# Altium PCB Outdoor_Tracker_v1.0.PcbDoc (part 1 of 2) (continued)
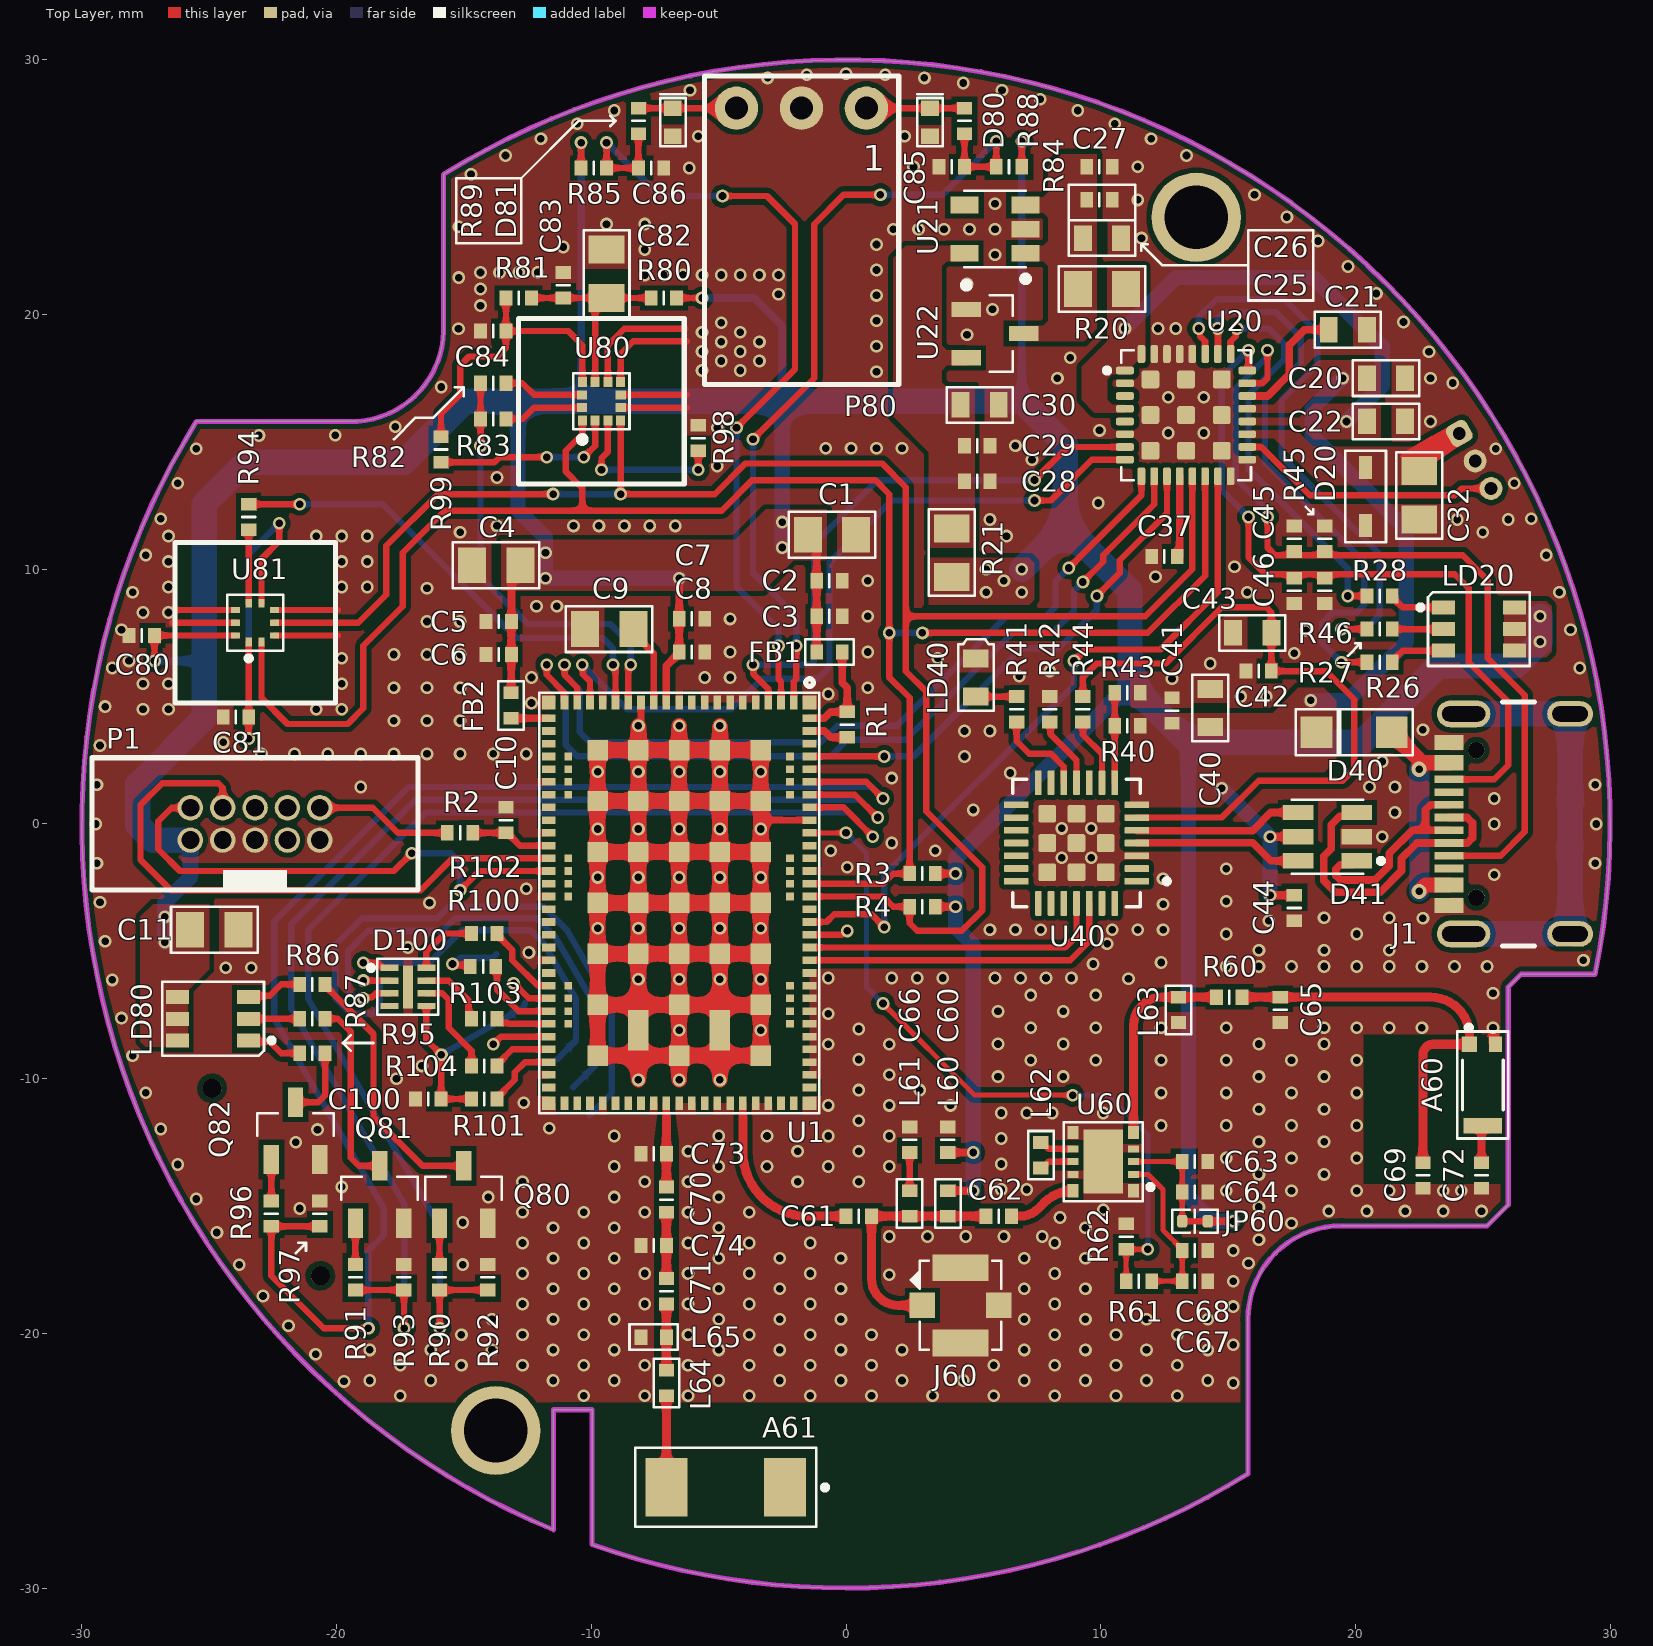
[diagram p0: Top Layer view]
## Footprints (in the part's own frame and the unit in brackets; to place one, negate y for a bottom-side part, rotate by r counter-clockwise, add the part's x,y. Pads: shape width x height; smd on the part's side, far side on the other; paste and mask are expansions set on the pad) (continued)
  silkscreen extent -1.5,-0.7 1.3,0.7, body extent -0.8,-0.39 0.8,0.39, height 0.7
"LED RGB 150352M173300" [mm]
  rect 0.9x0.55 smd: 1(-1.4,0.85) 2(1.4,0.85) 3(-1.4,0) 4(1.4,0) 5(-1.4,-0.85) 6(1.4,-0.85)
  silkscreen extent -2.4,-1.45 2,1.45, body extent -1.75,-1.4 1.75,1.4, height 1.75
"RES 0402" [mm]
  rect 0.5x0.6 smd: 1(-0.5,0) 2(0.5,0)
  Top Layer pour cut-out: -0.1,0.5 0.1,0.5 0.1,-0.5 -0.1,-0.5
  silkscreen extent 0,-0.25 0,0.25, body extent -0.5,-0.25 0.5,0.26, height 0.35
"RES 0805" [mm]
  rect 1.1x1.4 smd: 1(-0.95,0) 2(0.95,0)
  Top Layer pour cut-out: -0.2,0.9 0.2,0.9 0.2,-0.9 -0.2,-0.9
  silkscreen extent -1.7,-0.9 1.7,0.9, body extent -1,-0.63 1,0.63, height 0.45
"TRAN SOT-23-3" [mm]
  rect 1.15x0.6 smd: B(-1.125,0.95) C(1.125,0) E(-1.125,-0.95)
  silkscreen extent -0.2,-1.5 0.7,1.5, body extent -1.25,-1.5 1.25,1.5, height 1.05

## Part data
A60: library part "ANT ACAR0301-SG3", "RF ANT 1561~1610 MHZ CHIP SLD", Frequency (Center/Band)="1.561GHz, 1.575GHz, 1.602GHz", Frequency Group="UHF (1GHz ~ 2GHz)", Frequency Range="1.561GHz ~ 1.61GHz", Manufacturer="Abracon LLC", Antenna Type=Chip, Gain="1.69dBi, -1.81dBi, 1.43dBi", Link=https://bit.ly/3My30kV, Manufacturer Product Number=ACAR0301-SG3, Number of Bands=3, Return Loss=-, RF Family/Standard=Navigation, VSWR=2
A61: library part "ANT NN02-201", "ONE MXTEND MULTIBAND ANTENNA", Frequency (Center/Band)="700MHz, 800MHz, 850MHz, 900MHz, 1.7GHz, 1.8GHz, 1.9GHz, 2GHz, 2.1GHz, 2.5GHz, 3.5GHz, 3.7GHz, 4.7GHz, 5GHz, 6GHz, 7GHz", Frequency Group="Ultra Wide Band", Frequency Range="824MHz ~ 7.125GHz", Manufacturer=Ignion, Antenna Type=Chip, Applications="2G, 3G, 4G, 5G, DCS, GSM, LTE, PCS, UMTS, Wifi DB", Gain=4.1dBi, Link=https://bit.ly/3T3Cfsq, Manufacturer Product Number=NN02-201, Number of Bands=1, RF Family/Standard=Cellular, VSWR=3
C1 C4: library part "CAP 0805 47uF 10V", "CAP 0805 47uF 10V", Capacitance=47uF, Package=0805, TemperatureCoefficient=X7R, Tolerance=10%, Voltage=10V, ALT MALZEME KODU=1.009.00956, Mount=SMD
C2 C5 C8 C27 C28 C41 C42 C83 C84: library part "CAP 0402 100nF 10V", "CAP 0402 100nF 10V", Capacitance=100nF, Package=0402, TemperatureCoefficient=X7R, Tolerance=10%, Voltage=10V, ALT MALZEME KODU=1.009.00840, Mount=SMD
C3 C6: library part "CAP 0402 15pF 16V", "CAP 0402 15pF 16V", Capacitance=15pF, Package=0402, TemperatureCoefficient=X7R, Tolerance=10%, Voltage=16V, ALT MALZEME KODU=1.009.00947, Mount=SMD
C7: library part "CAP 0402 4.7uF 10V", "CAP 0402 4.7uF 10V", Capacitance=4.7uF, Package=0402, TemperatureCoefficient=X7R, Tolerance=10%, Voltage=10V, ALT MALZEME KODU=1.009.00987, Mount=SMD
C9: library part "CAP 0805 4.7uF 10V", "CAP 0805 4.7uF 10V", Capacitance=4.7uF, Package=0805, TemperatureCoefficient=X7R, Tolerance=10%, Voltage=10V, ALT MALZEME KODU=1.009.00882, Mount=SMD
C10 C37 C44 C80 C81 C85 C86: library part "CAP 0402 100nF 16V", "CAP 0402 100nF 16V", Capacitance=100nF, Package=0402, TemperatureCoefficient=X7R, Tolerance=10%, Voltage=16V, ALT MALZEME KODU=1.009.00275, Mount=SMD
C11: library part "CAP 0805 100nF 16V", "CAP 0805 100nF 16V", Capacitance=100nF, Package=0805, TemperatureCoefficient=X7R, Tolerance=10%, Voltage=16V, ALT MALZEME KODU=1.009.00953, Mount=SMD
C20 C21: library part "CAP 0603 1uF 16V", "CAP 0603 1uF 16V", Capacitance=1uF, Package=0603, TemperatureCoefficient=X7R, Tolerance=10%, Voltage=16V, ALT MALZEME KODU=1.009.00271, Mount=SMD
C22 C25 C30: library part "CAP 0603", "CAP 0603 10uF 25V 20%", Capacitance=10uF, Package=0603, TemperatureCoefficient=X5R, Tolerance=20%, Voltage=25V, Mount=SMD
C26 C29: library part "CAP 0402 1uF 10V", "CAP 0402 1uF 10V", Capacitance=1uF, Package=0402, TemperatureCoefficient=X7R, Tolerance=10%, Voltage=10V, ALT MALZEME KODU=1.009.00838, Mount=SMD
C32: library part "CAP 0805 2.2uF 100V", "CAP 0805 2.2uF 100V", Capacitance=2.2uF, Manufacturer="Murata Electronics", Manufacturer Part Number=GRT21BD72A225KE13K, Package=0805, TemperatureCoefficient=X7T, Tolerance=10%, Voltage=100V, Link=https://bit.ly/3Ly0hbg, Mount=SMD
C40 C43: library part "CAP 0603 4.7uF 16V", "CAP 0603 4.7uF 16V", Capacitance=4.7uF, Package=0603, TemperatureCoefficient=X7R, Tolerance=10%, Voltage=16V, ALT MALZEME KODU=1.009.01147, Mount=SMD
C45 C46: library part "CAP 0402 30pF 50V", "CAP 0402 30pF 50V", Capacitance=30pF, Package=0402, TemperatureCoefficient=C0G/NP0, Tolerance=5%, Voltage=50V, Mount=SMD
C60 C61 C62: library part "CAP 0402", "CAP 0402", Capacitance=39pF, Package=0402, TemperatureCoefficient=NP0, Tolerance=1%, Voltage=25V, Mount=SMD
C63 C68: library part "CAP 0402 100pF 50V", "CAP 0402 100pF 50V", Capacitance=100pF, Package=0402, TemperatureCoefficient=X7R, Tolerance=10%, Voltage=50V, ALT MALZEME KODU=1.009.00236, Mount=SMD
C64 C67: library part "CAP 0402 100nF 50V", "CAP 0402 100nF 50V", Capacitance=100nF, Package=0402, TemperatureCoefficient=X7R, Tolerance=10%, Voltage=50V, ALT MALZEME KODU=1.009.00205, Mount=SMD
C65: library part "CAP 0402", "CAP 0402", Capacitance=3.3pF, Package=0402, Mount=SMD
C66: library part "CAP 0402", "CAP 0402", Capacitance=DnP, Package=0402, Mount=SMD
C69: library part "CAP 0402", "CAP 0402", Capacitance=1pF, Package=0402, Mount=SMD
C70 C71 C73 C74: library part "CAP 0402", "CAP 0402", Capacitance=TBD, Package=0402, Mount=SMD, TemperatureCoefficient=TBD, Tolerance=TBD
C72: library part "CAP 0402", "CAP 0402", Capacitance=2pF, Package=0402, Mount=SMD
C82: library part "CAP 0805 10uF 10V", "CAP 0805 10uF 10V", Capacitance=10uF, Package=0805, TemperatureCoefficient=X7R, Tolerance=10%, Voltage=10V, ALT MALZEME KODU=1.009.00295, Mount=SMD
C100: library part "CAP 0402 10nF 16V", "CAP 0402 10nF 16V", Capacitance=10nF, Package=0402, TemperatureCoefficient=X7R, Tolerance=10%, Voltage=16V, ALT MALZEME KODU=1.009.00283, Mount=SMD
D20: library part "TVS D5V0L1B2WS-7", "TVS DIODE 5V 14V SOD323", Capacitance="15pF @ 1MHz", Current - Peak Pulse="6A (8/20µs)", Manufacturer="Diodes Incorporated", Package=SOD-323, Power - Peak Pulse=84W, Voltage - Clamping="14V (Max)", Voltage - Reverse Standoff="5V (Max)", ALT MALZEME KODU=1.012.01100, Link=https://bit.ly/3mhJc7p, Manufacturer Part Number=D5V0L1B2WS-7, Mount=SMD
D40: library part "DIODE MBR120ESFT3G", "DIODE SCHOTTKY 20V 1A SOD123FL", Current-Rectified=1A, Manufacturer="ON Semiconductor", Package=SOD-123, Voltage - DC Reverse=20V, Voltage - Forward="530mV @ 1A", ALT MALZEME KODU=1.012.00347, Link=https://bit.ly/37E0dBG, Manufacturer Part Number=MBR120ESFT3G, Mount=SMD
D41: library part "DIODE USBLC6-2 TVS", "TVS DIODE 5.25VWM 17VC SOT23-6", Breakdown Voltage=6V, Capacitance=3.5pF, Case/Package=SOT-23, Clamping Voltage=17V, Leakage Current=150nA, Manufacturer=STMicroelectronics, Manufacturer Part Number=USBLC6-2SC6, Max Operating Temperature=125°C, Min Operating Temperature=-40°C, Operating Supply Voltage=1.1V, Package Quantity=3000, Peak Pulse Current=5A, Power Line Protection=Yes, Reverse Standoff Voltage=5.25V, Supplier Part Number 1=497-5235-6-ND, Test Current=1mA, Working Voltage=5V, Category="TVS Diodes", Clamping Voltage-Max=17V, ComponentLink1Description=https://datasheet.ciiva.com/1268/1690354-1268384.pdf?src-supplier=Element14, ComponentLink1URL=https://datasheet.ciiva.com/1268/1690354-1268384.pdf?src-supplier=Element14, ComponentLink2Description=https://datasheet.ciiva.com/4508/cd00050750-113117-4508433.pdf?src-supplier=Mouser, ComponentLink2URL=https://datasheet.ciiva.com/4508/cd00050750-113117-4508433.pdf?src-supplier=Mouser, ComponentLink3Description=https://datasheet.ciiva.com/15143/getdatasheetpartid-148465-15143789.pdf?src-supplier=Verical, ComponentLink3URL=https://datasheet.ciiva.com/15143/getdatasheetpartid-148465-15143789.pdf?src-supplier=Verical, ComponentLink4Description=https://datasheet.ciiva.com/16200/cd00050750-16200026.pdf?src-supplier=Future+Electronics, ComponentLink4URL=https://datasheet.ciiva.com/16200/cd00050750-16200026.pdf?src-supplier=Future+Electronics, ComponentLink5Description=https://datasheet.ciiva.com/41444/001184109-da-01-en-ic-esd-protecti-usblc6-2sc6-sot-23-6-stm-41444156.pdf?src-supplier=Conrad, ComponentLink5URL=https://datasheet.ciiva.com/41444/001184109-da-01-en-ic-esd-protecti-usblc6-2sc6-sot-23-6-stm-41444156.pdf?src-supplier=Conrad, Contact Plating=Tin,Matte, Data Rate=480Mbps, Depth=1.75mm, Direction=Unidirectional,Bidirectional, Element Configuration=Dual, ESD Protection=Yes, Height=1.3mm, Lead Free="Lead Free", Length=3.05mm, Link=https://bit.ly/3zN9Iyf, Link 2=https://bit.ly/3tGO0rO, Max Breakdown Voltage=6V, Max Reverse Leakage Current=150nA, Min Breakdown Voltage=6V, Mount="Surface Mount", Number of Bidirectional Channels=2, Number of Channels=2, Number of Elements=1, Number of Pins=6, Packaging="Tape and Reel", Polarity=Unidirectional,Bidirectional, Pricing 1="1=0,63000, 10=0,54200, 100=0,40440, 500=0,31774, 1000=0,24553 (USD)", Radiation Hardening=No, REACH SVHC="No SVHC", Reverse Breakdown Voltage=6V, RoHS=Yes, RoHS Compliant=Yes, Series=USB, Supplier 1=Digi-Key, Termination=SMD/SMT, Width=1.75mm
D80 D81: library part "TVS D5V0L1B2LP4-7B", "TVS DIODE 5VWM 14VC DFN1006-2", Capacitance @ Frequency="15pF @ 1MHz", Current - Peak Pulse (10/1000µs)="6A (8/20µs)", Manufacturer="Diodes Incorporated", Manufacturer Part Number=D5V0L1B2WS-7, Package=0402, Power - Peak Pulse=84W, Power Line Protection=No, Voltage - Breakdown (Min)=6V, Voltage - Clamping (Max) @ Ipp=14V, Voltage - Reverse Standoff (Typ)="5V (Max)", Bidirectional Channels=1, Link=https://bit.ly/3Wt3y1t, Mount=SMD, Type=Zener
D100: library part "IC TPD3F303DPVR", "FILTER RC(PI) ESD SMD", Center / Cutoff Frequency="294MHz, 308MHz (Cutoff)", Manufacturer="Texas Instruments", Resistance - Channel (Ohms)="47, 100", Values="R = 47Ohms, 100Ohms, C = 20pF", Applications="Data Lines for Mobile Devices", ESD Protection=Yes, Filter Order=2nd, Link=https://bit.ly/475RMgT, Manufacturer Product Number=TPD3F303DPVR, Number of Channels=3, Technology="RC (Pi)", Type="Low Pass"
FB1 FB2: library part "FER BLM15AX121SN1D", "FERRITE BEAD 120 OHM 0402 1LN", Case Code (Metric)=1005, Case Code (Imperial)=0402, Current Rating=700mA, DC Resistance (DCR)=130mR, Manufacturer=Murata, Max Operating Temperature=125°C, Min Operating Temperature=-55°C, Package Quantity=1, Supplier Part Number 1=81-BLM15AX121SN1D, Test Frequency=100MHz, Tolerance=25%, Case/Package=0402, Category="Ferrite Beads and Chips", ComponentLink1Description=https://datasheet.ciiva.com/18183/getdatasheetpartid-238207-18183177.pdf?src-supplier=Verical, ComponentLink1URL=https://datasheet.ciiva.com/18183/getdatasheetpartid-238207-18183177.pdf?src-supplier=Verical, ComponentLink2Description=https://datasheet.ciiva.com/41449/001172204-da-01-en-drossel-0402-600r-1-0x0-5mm-10000st-41449492.pdf?src-supplier=Conrad, ComponentLink2URL=https://datasheet.ciiva.com/41449/001172204-da-01-en-drossel-0402-600r-1-0x0-5mm-10000st-41449492.pdf?src-supplier=Conrad, ComponentLink3Description=https://datasheet.ciiva.com/41425/001171685-da-01-en-chip-drossel0402-600r-300ma-1-0x0-5mm-41425771.pdf?src-supplier=Conrad, ComponentLink3URL=https://datasheet.ciiva.com/41425/001171685-da-01-en-chip-drossel0402-600r-300ma-1-0x0-5mm-41425771.pdf?src-supplier=Conrad, ComponentLink4Description=https://datasheet.ciiva.com/1014/l0110s0101blm15h-1014466.pdf?src-supplier=Digi-Key, ComponentLink4URL=https://datasheet.ciiva.com/1014/l0110s0101blm15h-1014466.pdf?src-supplier=Digi-Key, ComponentLink5Description=https://datasheet.ciiva.com/1014/l0110s0101blm15h-1014467.pdf?src-supplier=Digi-Key, ComponentLink5URL=https://datasheet.ciiva.com/1014/l0110s0101blm15h-1014467.pdf?src-supplier=Digi-Key, ComponentLink6Description=https://datasheet.ciiva.com/1466/5168-1466917.pdf?src-supplier=Element14, ComponentLink6URL=https://datasheet.ciiva.com/1466/5168-1466917.pdf?src-supplier=Element14, ComponentLink7Description=https://datasheet.ciiva.com/1466/5168-1466918.pdf?src-supplier=Element14, ComponentLink7URL=https://datasheet.ciiva.com/1466/5168-1466918.pdf?src-supplier=Element14, ComponentLink8Description=https://datasheet.ciiva.com/3081/l0110s0101blm15h-3081608.pdf?src-supplier=Avnet, ComponentLink8URL=https://datasheet.ciiva.com/3081/l0110s0101blm15h-3081608.pdf?src-supplier=Avnet, ComponentLink9Description=https://datasheet.ciiva.com/6212/l0110s0101blm15h-6212328.pdf?src-supplier=Digi-Key, ComponentLink9URL=https://datasheet.ciiva.com/6212/l0110s0101blm15h-6212328.pdf?src-supplier=Digi-Key, ComponentLink10Description=https://datasheet.ciiva.com/16204/l0110s0101blm15h-16204027.pdf?src-supplier=Future+Electronics, ComponentLink10URL=https://datasheet.ciiva.com/16204/l0110s0101blm15h-16204027.pdf?src-supplier=Future+Electronics, ComponentLink11Description=https://datasheet.ciiva.com/41449/001172167-da-01-en-drossel-0402-120r-1-0x0-5mm-10000st-41449456.pdf?src-supplier=Conrad, ComponentLink11URL=https://datasheet.ciiva.com/41449/001172167-da-01-en-drossel-0402-120r-1-0x0-5mm-10000st-41449456.pdf?src-supplier=Conrad, ComponentLink12Description=https://datasheet.ciiva.com/1012/l0110e-1012387.pdf?src-supplier=Digikey, ComponentLink12URL=https://datasheet.ciiva.com/1012/l0110e-1012387.pdf?src-supplier=Digikey, ComponentLink13Description=https://datasheet.ciiva.com/1012/l0110e-1012386.pdf?src-supplier=Digikey, ComponentLink13URL=https://datasheet.ciiva.com/1012/l0110e-1012386.pdf?src-supplier=Digikey, ComponentLink14Description=https://datasheet.ciiva.com/1012/l0110e-1012388.pdf?src-supplier=Digikey, ComponentLink14URL=https://datasheet.ciiva.com/1012/l0110e-1012388.pdf?src-supplier=Digikey, Core Material=228ConductorMaterial, Height=0.5mm, Lead Free="Lead Free", Length=1mm, Link=https://bit.ly/3wIr28H, Manufacturer Part Number=BLM15AX121SN1D, Material=Steel, Max Current Rating=700mA, Max DC Current=700mA, Number of Circuits=1, Number of Lines=1, Number of Pins=2, Packaging="Tape and Reel", Pricing 1="1=0,1, 10=0,051, 50=0,051, 100=0,028, 1000=0,022, 10000=0,015 (USD)", Reach SVHC Compliant=No, RMS Current (Irms)=700mA, RoHS=Yes, RoHS Compliant=Yes, Series=BLM15AX_SN, Series Resistance=130mR, Stock 1=30042, Supplier 1=Mouser, Termination=SMD/SMT, Weight=2.3E-05oz, Width=0.5mm, Impedance=120R
J1: library part "CONN USB TYPE-C USB4105-GF-A", "CONN RCP USB2.0 TYP C 24P SMD RA", ALT MALZEME KODU=1.010.01014, Link=https://bit.ly/3MQbJhe, MF="{'manufacturer': u'GCT'}", MP=USB4105-GF-A, Price=None
J20: library part "BATT NTC", "653003117322", Manufacturer="Würth Electronic", Manufacturer Part Number=653003117322
J60: library part "CONN 0734120110", "CONN UFL RCPT STR 50 OHM SMD", Frequency="6GHz (Max)", Manufacturer=Molex, Voltage Rating=60V, ALT MALZEME KODU=1.010.00305, Link=https://bit.ly/3nEZlng, Manufacturer Part Number=0734120110, Mount=SMD, Impedance=50Ohm
J100: library part "CONN L-KLS1-SIM-066-(6+1)P-H1.37-R", "CONNECTOR HOLDER SIM CARD (6+1) PUSH-PUSH TYPE", Manufacturer="KLS ELECTRONIC", Card Type="Sim Card Connectors", Ejector Side=Right, Link=https://bit.ly/3WZrGro, Number of Pins=7(6+1), Series=KLS1-SIM-066, Insertion, Removal Method=Push-Push
JP60: library part "JUMPER NC"
L60: Package=0402, Inductance=68nH, Mount=SMD
L61 L63: Package=0402, Inductance=DnP, Mount=SMD
L62: Package=0402, Inductance=9.1nH, Mount=SMD
L64 L65: Package=0402, Inductance=TBD, Mount=SMD
LD20 LD80: library part "LED RGB 150352M173300", "LED RGB CLEAR 6PLCC SMD", Color="Red, Green, Blue (RGB)", Lens Color=Colorless, Manufacturer="Würth Elektronik", Voltage - Forward (Vf) (Typ)="2V Red, 3.2V Green, 3.2V Blue", Configuration=Independent, Link=https://bit.ly/4dLumjj, Manufacturer Product Number=150352M173300
LD40: library part "LED SMD BLUE_0603", "LED SMD 0603 BLUE", Color=BLUE, Package=0603
P1: library part "HEADER 2 X 5 IDC", "CONN HEADER 2 X 5 1.27MM", LatestRevisionDate=17-Jul-2002, LatestRevisionNote="Re-released for DXP Platform.", Publisher="Altium Limited"
P80: "CONN HEADER 1 X 3 RA", ALT MALZEME KODU=1.010.01029, Mount="Through Hole"
Q80 Q81 Q82: library part "NPN BC817-40,215", "TRANS NPN 45V 0.5A SOT23", Current - Collector=500mA, Manufacturer="Nexperia USA Inc.", Package=SOT-23-3, Power=250mW, Voltage - Collector Emitter Breakdown="45V (Max)", ALT MALZEME KODU=1.036.01085, Link=https://bit.ly/3mIUS1M, Manufacturer Part Number=BC817-40,215, Mount=SMD, Transistor Type=NPN, Vce Saturation (Max) @ Ib, Ic="700mV @ 50mA, 500mA"
R1: library part "RES 0402 10K 1%", "RES 0402 10K 1%", Package=0402, PowerRating=1/10W, Resistance=10K, Tolerance=1%, ALT MALZEME KODU=1.031.00963, Mount=SMD
R2 R44 R88 R89 R90 R91 R96: library part "RES 0402 1K 5%", "RES 0402 1K 5%", Package=0402, PowerRating=1/10W, Resistance=1K, Tolerance=5%, ALT MALZEME KODU=1.031.00622, Mount=SMD
R3 R4: library part "RES 0402 4.7K 5%", "RES 0402 4.7K 5%", Package=0402, PowerRating=1/10W, Resistance=4.7K, Tolerance=5%, ALT MALZEME KODU=1.031.00627, Mount=SMD
R20 R21 R47: library part "RES 0805 0R 5%", "RES 0805 0R 5%", Package=0805, Resistance=0R, Tolerance=5%, ALT MALZEME KODU=1.031.00613, Mount=SMD
R26 R27 R28 R41 R86 R87 R95: library part "RES 0402 200R 5%", "RES 0402 200R 5%", Package=0402, PowerRating=1/10W, Resistance=200R, Tolerance=5%, ALT MALZEME KODU=1.031.00643, Mount=SMD
R40: library part "RES 0402 22K 1%", "RES 0402 22K 1%", Package=0402, PowerRating=1/10W, Resistance=22K, Tolerance=1%, ALT MALZEME KODU=1.031.00871, Mount=SMD
R42 R84 R85 R92 R93 R97: library part "RES 0402 10K 5%", "RES 0402 10K 5%", Package=0402, PowerRating=1/10W, Resistance=10K, Tolerance=5%, ALT MALZEME KODU=1.031.00615, Mount=SMD
R43: library part "RES 0402 47K 1%", "RES 0402 47K 1%", Package=0402, PowerRating=1/10W, Resistance=47K, Tolerance=1%, ALT MALZEME KODU=1.031.00696, Mount=SMD
R45 R46: Package=0402, PowerRating=1/10W, Resistance=5.1K, Tolerance=10%, Mount=SMD
R60 R61 R80 R81 R82 R83 R94 R98 R99 R100 R101 R102 R103 R104: library part "RES 0402 0R 5%", "RES 0402 0R 5%", Package=0402, Resistance=0R, Tolerance=5%, ALT MALZEME KODU=1.031.00612, Mount=SMD
R62: library part "RES 0402 1M 5%", "RES 0402 1M 5%", Package=0402, PowerRating=1/10W, Resistance=1M, Tolerance=5%, ALT MALZEME KODU=1.031.00624, Mount=SMD
U1: library part "IC nRF9161-LACA-R", Frequency="600MHz ~ 2.2GHz", Manufacturer="Nordic Semiconductor ASA", Manufacturer Product Number=NRF9161-LACA-R, Power - Output=23dBm, Voltage - Supply="3V ~ 5.5V", Data Rate (Max)=8Mbps, GPIO=32, Link=https://bit.ly/3X10dqO, Link 2=https://bit.ly/4aFKUH8, Memory Size="1MB Flash, 256kB RAM", Protocol=GPS, RF Family/Standard=Cellular, Sensitivity=-108dBm, Serial Interfaces="I2C, I2S, PWM, SPI, UART", Series=NRF9161, Type="TxRx Only"
U20: library part "IC NPM1300-QEAA-R", "PMIC (POWER MANAGEMENT IC)", Manufacturer="Nordic Semiconductor ASA", Battery Chemistry="Lithium Ion/Polymer", Fault Protection="Over Current, Over Temperature, Over/Under Voltage", Function="Power Management", Link=https://bit.ly/47b68fX, Manufacturer Product Number=NPM1300-QEAA-R, Number of Cells=1, Interface="GPIO, I2C"
U21: library part "IC XC6220B331MR-G", "IC REG LINEAR 3.3V 1A SOT-25", Case/Package=SOT-25, Dropout Voltage=655mV, Manufacturer=Torex, Max Operating Temperature=85°C, Max Input Voltage=6V, Min Current Limit=1.005A, Min Operating Temperature=-40°C, Min Input Voltage=1.6V, Nominal Output Voltage=3.3V, Output Current=1A, Package Quantity=1, Supplier Part Number 1=893-1133-1-ND, ALT MALZEME KODU=1.029.00604, Category="Voltage Regulators - Linear", ComponentLink1Description=https://datasheet.ciiva.com/7992/610888-7992813.pdf?src-supplier=Element14, ComponentLink1URL=https://datasheet.ciiva.com/7992/610888-7992813.pdf?src-supplier=Element14, ComponentLink2Description=https://datasheet.ciiva.com/5755/610888-5755886.pdf?src-supplier=Farnell, ComponentLink2URL=https://datasheet.ciiva.com/5755/610888-5755886.pdf?src-supplier=Farnell, ComponentLink3Description=https://datasheet.ciiva.com/2040/xc6220-2040201.pdf?src-supplier=Digi-Key, ComponentLink3URL=https://datasheet.ciiva.com/2040/xc6220-2040201.pdf?src-supplier=Digi-Key, ComponentLink4Description=https://datasheet.ciiva.com/2040/xc6220-2040200.pdf?src-supplier=Digi-Key, ComponentLink4URL=https://datasheet.ciiva.com/2040/xc6220-2040200.pdf?src-supplier=Digi-Key, ComponentLink5Description=https://datasheet.ciiva.com/2040/xc6220-2040202.pdf?src-supplier=Digi-Key, ComponentLink5URL=https://datasheet.ciiva.com/2040/xc6220-2040202.pdf?src-supplier=Digi-Key, Link=https://bit.ly/3DS6BXY, Manufacturer Part Number=XC6220B331MR-G, Mount="Surface Mount", Number of Pins=5, Number of Regulators=1, Output Type=Fixed, Output Voltage=3.3V, Packaging="Tape and Reel", Pricing 1="1=0,96000, 10=0,86000, 25=0,81600, 100=0,67040, 250=0,62672, 500=0,55384, 1000=0,43725 (USD)", REACH SVHC="No SVHC", RoHS=Yes, RoHS Compliant=Yes, Series=-, Stock 1=41723, Supplier 1=Digi-Key
U22: library part "IC MCP1700T-3302E/TT", "IC REG LINEAR 3.3V 250MA SOT23-3", Current - Output=250mA, Manufacturer="Microchip Technology", Package=SOT-23-3, Voltage - Output="3.3V Fixed", Voltage - Input="6V (Max)", Voltage Dropout="0.35V @ 250mA", ALT MALZEME KODU=1.029.00603, Link=https://bit.ly/3bVx1Ze, Manufacturer Part Number=MCP1700T-3302E/TT, Mount=SMD, PSRR="44dB (100Hz)"
U40: library part "IC CP2102N-A02-GQFN28R", "IC USB TO UART BRIDGE QFN28", Current - Supply=15mA, Manufacturer="Silicon Labs", Package=28-SSOP, Voltage - Supply="3.3V ~ 5.25V", ALT MALZEME KODU=1.020.01045, Link=https://bit.ly/2YGeVUM, Manufacturer Part Number=CP2102N-A02-GQFN28R, Mount=SMD, Protocol="USB 2.0", Interface=UART
U60: library part "IC SKY65943-11", "GPS LNA MODULE", Frequency="1.559GHz ~ 1.606GHz", Manufacturer="Skyworks Solutions Inc.", Link=https://bit.ly/3R1qSA0, RF Type="Galileo, GLONASS, GNSS, GPS"
U80: library part "IC LIS2DH12TR", "ACCELEROMETER MEMS 3 AXIS 16G", Case/Package=LGA, Manufacturer=STMicroelectronics, Max Operating Temperature=85°C, Max Supply Voltage=3.6V, Min Operating Temperature=-40°C, Min Supply Voltage=1.71V, Supplier Part Number 1=497-14851-1-ND, Axis="X, Y, Z", Bandwidth=672Hz, Category=Accelerometers, ComponentLink1Description=https://datasheet.ciiva.com/46423/1836729-46423946.pdf?src-supplier=Element14, ComponentLink1URL=https://datasheet.ciiva.com/46423/1836729-46423946.pdf?src-supplier=Element14, Contact Plating=Gold, Height=1mm, Lead Free="Lead Free", Length=2.15mm, Link=https://bit.ly/3goFJVF, Manufacturer Part Number=LIS2DH12TR, Mount="Surface Mount", Number of Pins=12, Output Type=SPI,I2C,Digital, Packaging="Cut Tape", Radiation Hardening=No, REACH SVHC="No SVHC", RoHS=Yes, RoHS Compliant=Yes, Supplier 1=Digi-Key, Width=2.15mm, Interface=I2C,SPI
U81: library part "IC BMP390", "SENSOR 18.13PSIA 10LGA", Manufacturer="Bosch Sensortec", Operating Pressure="4.35PSI ~ 18.13PSI (30kPa ~ 125kPa)", Voltage - Supply="1.65V ~ 3.6V", Accuracy="±0.01PSI (0.05kPa)", Link=https://bit.ly/4bnh8aY, Maximum Pressure="290.08PSI (2000kPa)", Output Type="I2C, SPI", Pressure Type=Absolute

## Free pads (board coordinates)
  round 3.5 hole 2.5 paste+0 mask+0: ""(-13.75,-23.816) ""(13.75,23.816)

## Via types
v1: diameter 0.5, hole 0.3, Top Layer to Bottom Layer, tented both sides, 659 vias
v2: diameter 0.6, hole 0.3, Top Layer to Bottom Layer, tented both sides, 2 vias

## Nets (pads, with @x,y where several pads share a name; then routed paths per layer and width w, separated by ;. In a path a pad name is that pad's centre, name@x,y a point inside that pad or via, vN(x,y) a via of type N, cw(c..) or ccw(c..) an arc to the next point about the centre after c; other vN are vias at no path point)
ACC_INT: R82.1 R83.1 U1.15 | length 16.9
  Top Layer w0.25: v1(-14.35,14.85) R83.1@-14.35,15.9 R82.1@-14.35,17.3 ; U1.15@-8.55,4.77 -8.55,6.082 -8.45,6.182 v1(-8.45,6.25)
  Bottom Layer w0.25: v1(-14.35,14.85) -14.35,9.7 -12.5,7.85 -9.25,7.85 -8.45,7.05 v1(-8.45,6.25)
BAR_INT: R94.1 U1.16 | length 18.8
  Top Layer w0.25: R94.1@-23.45,12.55 v1(-21.45,12.55) ; v1(-9.15,6.25) -9.15,6.182 -9.05,6.082 U1.16@-9.05,4.77
  Bottom Layer w0.25: v1(-21.45,12.55) -18.19,12.55 -12.94,7.3 -9.55,7.3 -9.15,6.9 v1(-9.15,6.25)
BLUE_LED_K: LD80.1 R95.2 | length 2.2
  Top Layer w0.25: LD80.1@-23.45,-8.5 -23.4,-8.55 -22.625,-8.55 -22.175,-9 R95.2@-21.45,-9
BUTTON_1: C86.1 R85.1 R89.1 U1.3 | length 32.8
  Top Layer w0.25: v1(-9.4,26.75) R85.1@-9.4,25.75 C86.1@-8.15,25.75 R89.1@-8.15,27.1 ; v1(-4.85,24.65) -3.1,24.65 -2.002,23.552 -2.002,17.848 v1(-4.3,15.55) ; v1(-2.65,7) -2.65,5.682 -2.55,5.582 U1.3@-2.55,4.77
  Bottom Layer w0.25: v1(-9.4,26.75) -7.3,24.65 v1(-4.85,24.65) ; v1(-4.3,15.55) -4.3,9.3 -2.65,7.65 v1(-2.65,7)
BUTTON_2: C85.1 R84.1 R88.1 U1.2 | length 32.6
  Top Layer w0.25: v1(-3.65,15.1) -1.252,17.498 -1.252,23.548 -0.1,24.7 v1(1.35,24.7) ; U1.2@-2.05,4.77 -2.05,5.582 -1.95,5.682 v1(-1.95,7) ; R88.1@4.65,27.1 C85.1@4.65,25.8 R84.1@5.9,25.8 v1(5.9,26.8)
  Bottom Layer w0.25: v1(-3.65,15.1) -3.65,9.85 -1.95,8.15 v1(-1.95,7) ; v1(1.35,24.7) 3.8,24.7 v1(5.9,26.8)